# Altium PCB AS_node_pcb_version2.PcbDoc (part 1 of 2) (continued)
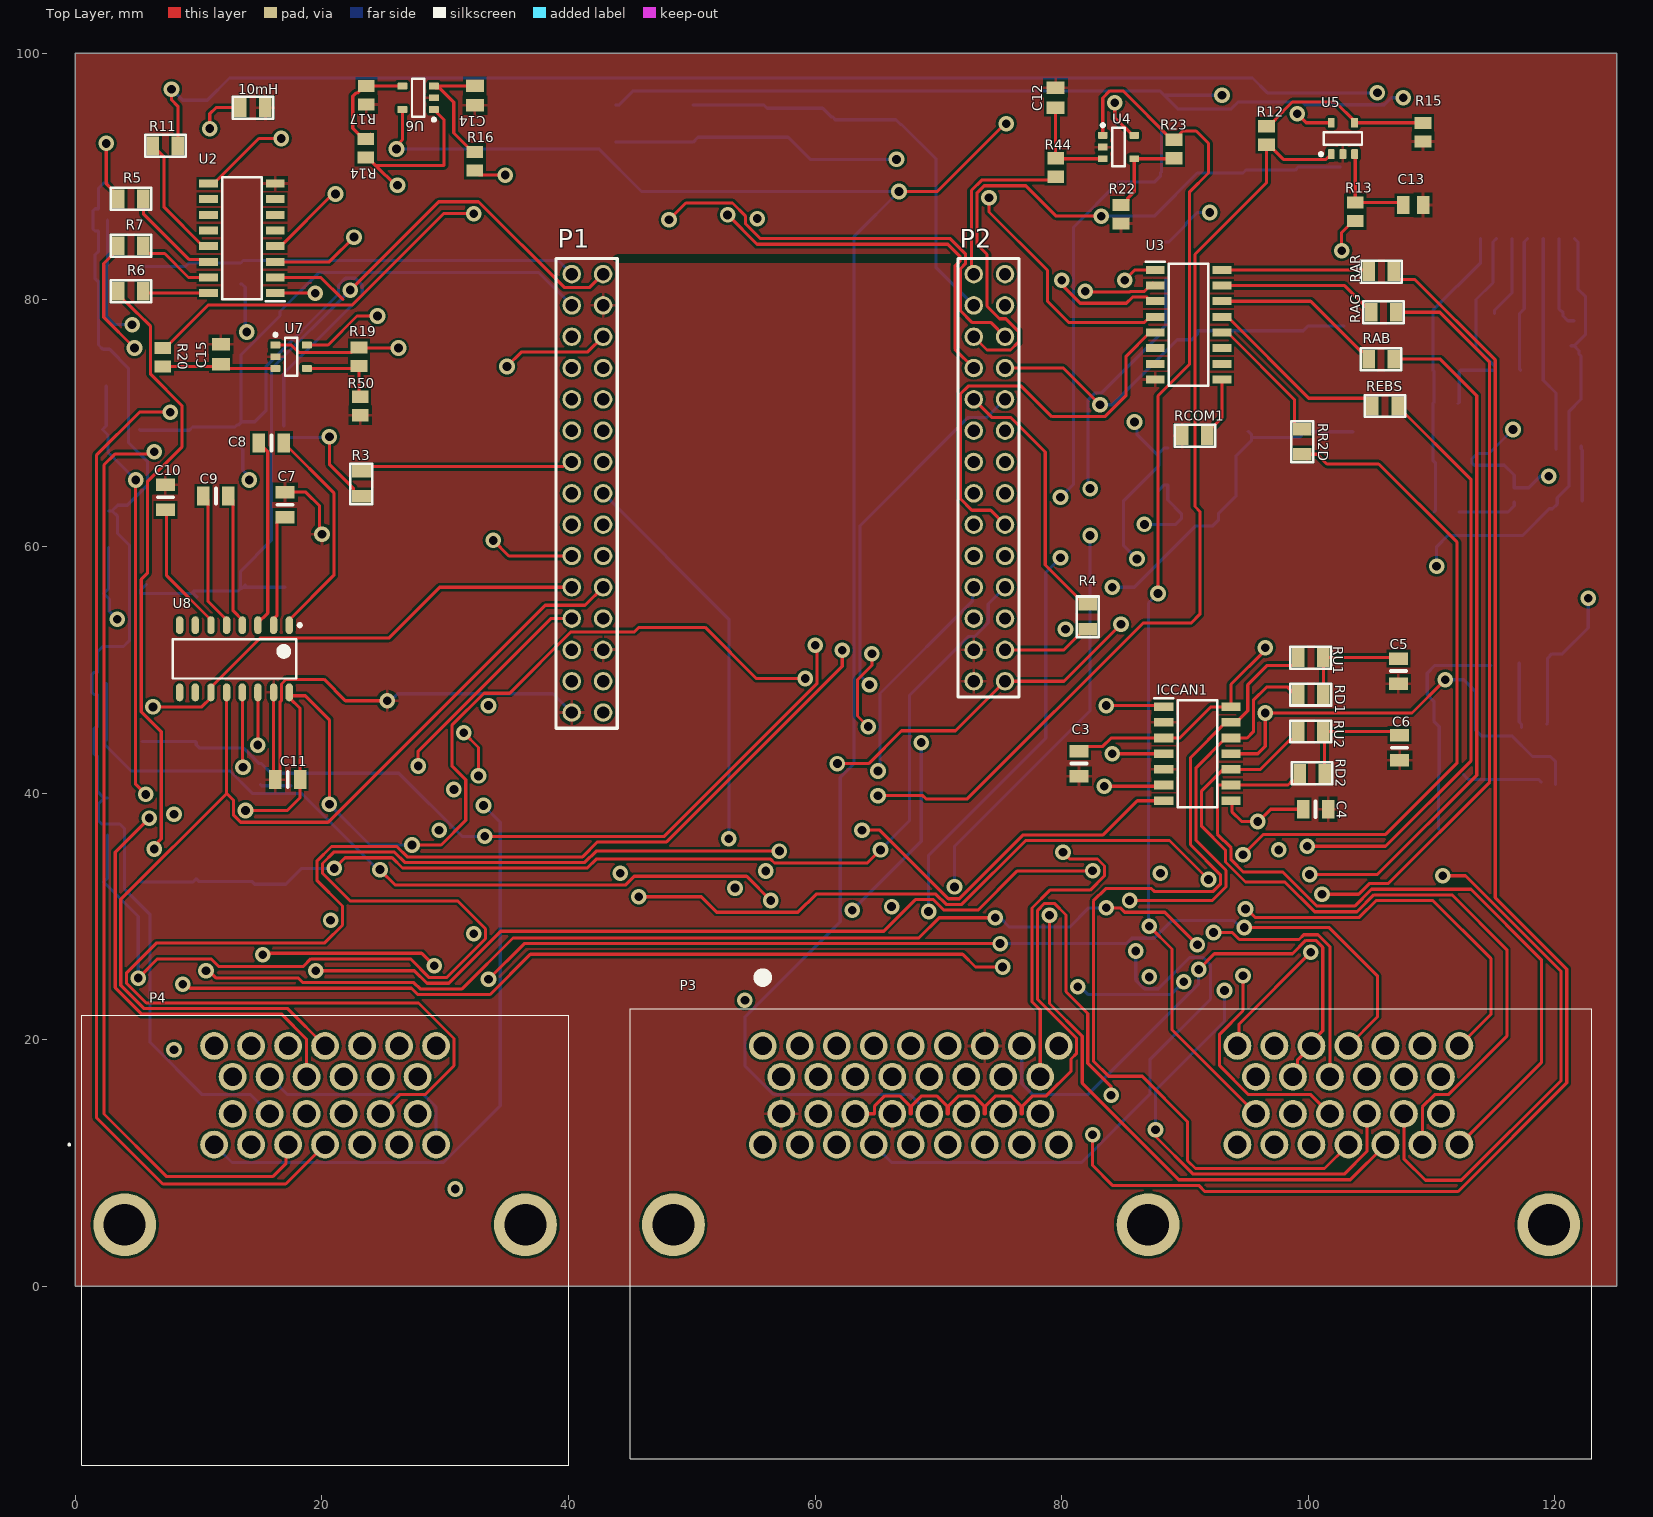
[diagram p0: Top Layer view]
## Components (designator, comment, footprint, x,y, rotation, side; value= is the part's Value field where it differs from the comment)
10mH "Res3" SMD-0805-RES 14.4,95.6 r90 top value=0
C1 "0.33uF" SMD-0805C 118.3,45.6 r90 bottom
C2 "0.1uF" SMD-0805C 111.6,37.1 r270 bottom
C3 "Cap Semi" SMD-0805C 81.4,42.4 r0 top value=0.1uF
C4 "Cap Semi" SMD-0805C 100.584,38.7 r90 top value=0.1uF
C5 "4700pF" SMD-0805C 107.3,49.9 r180 top
C6 "4700pF" SMD-0805C 107.4,43.684 r0 top
C7 "Cap Semi" SMD-0805C 17,63.4 r180 top value=0.1uF
C8 "Cap Semi" SMD-0805C 15.9,68.4 r270 top value=0.1uF
C9 "Cap Semi" SMD-0805C 11.4,64.1 r270 top value=0.1uF
C10 "Cap Semi" SMD-0805C 7.3,64 r180 top value=0.1uF
C11 "Cap Semi" SMD-0805C 17.216,41.1 r270 top value=0.1uF
C12 "0.68μF" CAPC2012X145N 79.5,96.4 r90 top
C13 "0.68μF" CAPC2012X145N 108.5,87.7 r0 top
C14 "0.68μF" CAPC2012X145N 32.4,96.59 r270 top
C15 "0.68μF" CAPC2012X145N 11.8,75.6 r90 top
C16 "UMK105CBJ105MV-F" CAPC1106X70N 17.5,41.11 r270 bottom
C17 "UMK105CBJ105MV-F" CAPC1106X70N 17,32.1 r270 bottom
C18 "UMK105CBJ105MV-F" CAPC1106X70N 16.9,69.29 r270 bottom
C19 "UMK105CBJ105MV-F" CAPC1106X70N 17,56.19 r270 bottom
C20 "UMK105CBJ105MV-F" CAPC1106X70N 102.6,90.29 r270 bottom
C21 "UMK105CBJ105MV-F" CAPC1106X70N 16.9,82.69 r270 bottom
C23 "UMK105CBJ105MV-F" CAPC1106X70N 102.9,77.39 r270 bottom
C24 "UMK105CBJ105MV-F" CAPC1106X70N 103.6,68.8 r270 bottom
C25 "UMK105CBJ105MV-F" CAPC1106X70N 66.5,94.11 r270 bottom
CFF "0.022uF" SMD-0805C 111.116,71.6 r90 bottom
CIN "100uF" SMD-0805C 121.2,63.7 r270 bottom
COUT "100uF" SMD-0805C 111.116,78.9 r270 bottom
CSS "4700pF" SMD-0805C 116.116,78.9 r270 bottom
F1 "0437005.WRA" FUSC3216X98N 111.78,66.8 r180 bottom
F2 "0437005.WRA" FUSC3216X98N 112.1,45.4 r180 bottom
ICCAN1 "TJA1048T,118" SOIC127P600X175-14N 91,43.2 r0 top
LED1 "ATS2012UV415" ATS2012UV415 116.7,64.2 r270 bottom
LED2 "ATS2012UV415" ATS2012UV415 119.475,40.9 r180 bottom
P1 "61303021121" 30_connector_female 42.8,46.54 r90 top
P2 "61302821121" 28_connector_female 75.4,49.08 r90 top
P3 "6437288-5" 64372885 55.75,19.5 r0 top
P4 "9-6437287-9" 964372879 11.25,11.5 r0 top
R1 "1K" SMD-0805-RES 111.216,62.8 r90 bottom value=6.49k
R2 "1k" SMD-0805-RES 111.584,41.5 r90 bottom value=6.49k
R3 "Res3" SMD-0805-RES 23.2,65.084 r180 top value=10K
R4 "Res3" SMD-0805-RES 82.1,54.3 r180 top value=10K
R5 "0" SMD-0805-RES 4.5,88.2 r270 top
R6 "0" SMD-0805-RES 4.5,80.7 r270 top
R7 "0" SMD-0805-RES 4.5,84.4 r270 top
R8 "ERA-8APB4421V" RESC3216X70N 2.5,50.4 r90 bottom
R11 "0" SMD-0805-RES 7.3,92.5 r90 top
R12 "20 kOhms" RESC2013X60X40LL20T25 96.6,93.35 r270 top
R13 "10k" RESC2013X60X40LL20T25 103.8,87.15 r90 top
R14 "20 kOhms" RESC2013X60X40LL20T25 23.55,92.3 r270 top
R15 "30K" RESC2013X60X40LL20T25 109.3,93.6 r270 top
R16 "10k" RESC2013X60X40LL20T25 32.4,91.25 r90 top
R17 "30K" RESC2013X60X40LL20T25 23.6,96.6 r270 top
R18 "ERA-8APB4421V" RESC3216X70N 2.6,38.1 r90 bottom
R19 "20 kOhms" RESC2013X60X40LL20T25 23,75.4 r90 top
R20 "10k" RESC2013X60X40LL20T25 7.1,75.35 r270 top
R21 "ERA-8APB4421V" RESC3216X70N 3.9,44.2 r0 bottom
R22 "10k" RESC2013X60X40LL20T25 84.8,86.95 r270 top
R23 "20 kOhms" RESC2013X60X40LL20T25 89.1,92.25 r90 top
R24 "ERA-8APB4421V" RESC3216X70N 3.8,32.8 r0 bottom
R25 "ERJ-PB3B1002V" RESC1608X55N 15,41.55 r270 bottom
R26 "ERJ-PB3B1002V" RESC1608X55N 14.3,32 r270 bottom
R27 "ERA-8APB4421V" RESC3216X70N 2.5,74.5 r90 bottom
R28 "ERA-8APB4421V" RESC3216X70N 2.7,61.4 r90 bottom
R29 "ERA-8APB4421V" RESC3216X70N 3.7,69.5 r0 bottom
R30 "ERA-8APB4421V" RESC3216X70N 3.8,56.2 r0 bottom
R31 "ERJ-PB3B1002V" RESC1608X55N 13.2,69 r270 bottom
R32 "ERJ-PB3B1002V" RESC1608X55N 13.4,55.75 r270 bottom
R33 "ERA-8APB4421V" RESC3216X70N 88.1,95.3 r90 bottom
R34 "ERA-8APB4421V" RESC3216X70N 2.6,88 r90 bottom
R35 "ERA-8APB4421V" RESC3216X70N 89.5,90.3 r0 bottom
R36 "ERA-8APB4421V" RESC3216X70N 4,82.7 r0 bottom
R37 "ERJ-PB3B1002V" RESC1608X55N 99.2,89.95 r270 bottom
R38 "ERJ-PB3B1002V" RESC1608X55N 13.4,82.15 r270 bottom
R41 "ERA-8APB4421V" RESC3216X70N 88.4,83.2 r90 bottom
R43 "ERA-8APB4421V" RESC3216X70N 89.5,77.5 r0 bottom
R44 "10k" RESC2013X60X40LL20T25 79.5,90.75 r90 top
R46 "ERJ-PB3B1002V" RESC1608X55N 99.8,76.85 r270 bottom
R47 "ERA-8APB4421V" RESC3216X70N 88.6,66.5 r90 bottom
R48 "ERA-8APB4421V" RESC3216X70N 43.8,94.3 r90 bottom
R49 "ERA-8APB4421V" RESC3216X70N 91.2,62.4 r0 bottom
R50 "30K" RESC2013X60X40LL20T25 23.1,71.4 r270 top
R51 "ERJ-PB3B1002V" RESC1608X55N 99.5,68.2 r270 bottom
R52 "ERA-8APB4421V" RESC3216X70N 50.1,94.3 r90 bottom
R53 "ERJ-PB3B1002V" RESC1608X55N 61.4,94 r270 bottom
RAB "Res3" SMD-0805-RES 105.9,75.2 r90 top value=330
RAG "Res3" SMD-0805-RES 106.1,79 r90 top value=330
RAR "Res3" SMD-0805-RES 105.916,82.3 r90 top value=330
RCOM1 "Res3" SMD-0805-RES 90.8,69 r270 top value=330
RD1 "Res3" SMD-0805-RES 100.2,48 r90 top value=60.4
RD2 "Res3" SMD-0805-RES 100.3,41.6 r90 top value=60.4
REBS "Res3" SMD-0805-RES 106.216,71.4 r90 top value=330
RENB "3.3k" SMD-0805-RES 121.116,67.9 r90 bottom
RENT "68k" SMD-0805-RES 121.1,72.2 r90 bottom
RFBB "6.49k" SMD-0805-RES 116.2,74.3 r270 bottom
RFBT "34k" SMD-0805-RES 111.216,74.2 r90 bottom
RON "100k" SMD-0805-RES 121.3,77.3 r0 bottom
RR2D "Res3" SMD-0805-RES 99.5,68.5 r0 top value=330
RU1 "Res3" SMD-0805-RES 100.2,51 r270 top value=60.4
RU2 "Res3" SMD-0805-RES 100.2,45 r270 top value=60.4
U2 "SN75468D" SOIC127P600X175-16N 13.5,85 r180 top
U3 "SN75468D" SOIC127P600X175-16N 90.288,77.995 r0 top
U4 "LM7341MF/NOPB" OP-Amp 84.6,92.4 r0 top
U5 "LM7341MF/NOPB" OP-Amp 102.8,93.1 r90 top
U6 "LM7341MF/NOPB" OP-Amp 27.8,96.4 r180 top
U7 "LM7341MF/NOPB" OP-Amp 17.5,75.4 r0 top
U8 "MAX3232E_D_16" MAX3232ECD 12.9,50.9 r270 top value=Value
UReg1 "LMZ14202HTZE/NOPB" NDW0007A_V 117.778,90.32 r90 bottom
UReg2 "UA78M33CDCYR" SOT230P700X180-4N 117.1,53.7 r90 bottom
Z1 "BZT52-C4V7X" SOD3616X130N 9.8,42.5 r270 bottom
Z2 "BZT52-C4V7X" SOD3616X130N 9.8,31.4 r270 bottom
Z3 "BZT52-C4V7X" SOD3616X130N 9.5,68.05 r270 bottom
Z4 "BZT52-C4V7X" SOD3616X130N 9.6,54.75 r270 bottom
Z5 "BZT52-C4V7X" SOD3616X130N 94.9,88.85 r270 bottom
Z6 "BZT52-C4V7X" SOD3616X130N 9.2,81.35 r270 bottom
Z8 "BZT52-C4V7X" SOD3616X130N 95.4,75.85 r270 bottom
Z9 "BZT52-C4V7X" SOD3616X130N 95.4,67.2 r270 bottom
Z10 "BZT52-C4V7X" SOD3616X130N 56.1,93.9 r270 bottom

## Footprints (in the part's own frame and the unit in brackets; to place one, negate y for a bottom-side part, rotate by r counter-clockwise, add the part's x,y. Pads: shape width x height; smd on the part's side, far side on the other; paste and mask are expansions set on the pad)
28_connector_female [mm]
  round 1.5 hole 1: 1(0,0) 2(0,2.54) 3(2.54,0) 4(2.54,2.54) 5(5.08,0) 6(5.08,2.54) 7(7.62,0) 8(7.62,2.54) 9(10.16,0) 10(10.16,2.54) 11(12.7,0) 12(12.7,2.54) 13(15.24,0) 14(15.24,2.54) 15(17.78,0) 16(17.78,2.54) 17(20.32,0) 18(20.32,2.54) 19(22.86,0) 20(22.86,2.54) 21(25.4,0) 22(25.4,2.54) 23(27.94,0) 24(27.94,2.54) 25(30.48,0) 26(30.48,2.54) 27(33.02,0) 28(33.02,2.54)
  silkscreen extent -1.27,-1.14 34.29,3.81, body extent -1.27,-1.14 34.29,3.81, height 7
30_connector_female [mm]
  round 1.5 hole 1: 1(0,0) 2(0,2.54) 3(2.54,0) 4(2.54,2.54) 5(5.08,0) 6(5.08,2.54) 7(7.62,0) 8(7.62,2.54) 9(10.16,0) 10(10.16,2.54) 11(12.7,0) 12(12.7,2.54) 13(15.24,0) 14(15.24,2.54) 15(17.78,0) 16(17.78,2.54) 17(20.32,0) 18(20.32,2.54) 19(22.86,0) 20(22.86,2.54) 21(25.4,0) 22(25.4,2.54) 23(27.94,0) 24(27.94,2.54) 25(30.48,0) 26(30.48,2.54) 27(33.02,0) 28(33.02,2.54) 29(35.56,0) 30(35.56,2.54)
  silkscreen extent -1.27,-1.14 36.83,3.81, body extent -1.27,-1.14 36.83,3.81, height 7
64372885 [mm]
  round 2.25 hole 1.5: 1(0,0) 2(3,0) 3(6,0) 4(9,0) 5(12,0) 6(15,0) 7(18,0) 8(21,0) 9(24,0) 10(1.5,-2.5) 11(4.5,-2.5) 12(7.5,-2.5) 13(10.5,-2.5) 14(13.5,-2.5) 15(16.5,-2.5) 16(19.5,-2.5) 17(22.5,-2.5) 18(1.5,-5.5) 19(4.5,-5.5) 20(7.5,-5.5) 21(10.5,-5.5) 22(13.5,-5.5) 23(16.5,-5.5) 24(19.5,-5.5) 25(22.5,-5.5) 26(0,-8) 27(3,-8) 28(6,-8) 29(9,-8) 30(12,-8) 31(15,-8) 32(18,-8) 33(21,-8) 34(24,-8) 35(38.5,0) 36(41.5,0) 37(44.5,0) 38(47.5,0) 39(50.5,0) 40(53.5,0) 41(56.5,0) 42(40,-2.5) 43(43,-2.5) 44(46,-2.5) 45(49,-2.5) 46(52,-2.5) 47(55,-2.5) 48(40,-5.5) 49(43,-5.5) 50(46,-5.5) 51(49,-5.5) 52(52,-5.5) 53(55,-5.5) 54(38.5,-8) 55(41.5,-8) 56(44.5,-8) 57(47.5,-8) 58(50.5,-8) 59(53.5,-8) 60(56.5,-8)
  round 5.1 hole 3.4: MH1(-7.25,-14.5) MH2(31.25,-14.5) MH3(63.75,-14.5)
  silkscreen extent -10.75,-33.5 67.25,5.6, body extent -10.75,-33.5 67.25,3, height 27.9
964372879 [mm]
  round 2.25 hole 1.5: 1(0,0) 2(1.5,2.5) 3(3,0) 4(4.5,2.5) 5(6,0) 6(7.5,2.5) 7(9,0) 8(10.5,2.5) 9(12,0) 10(13.5,2.5) 11(15,0) 12(16.5,2.5) 13(18,0) 14(0,8) 15(1.5,5.5) 16(3,8) 17(4.5,5.5) 18(6,8) 19(7.5,5.5) 20(9,8) 21(10.5,5.5) 22(12,8) 23(13.5,5.5) 24(15,8) 25(16.5,5.5) 26(18,8)
  round 5.1 hole 3.4: MH1(-7.25,-6.5) MH2(25.25,-6.5)
  silkscreen extent -11.8,-26 28.75,10.5, body extent -10.75,-26 28.75,10.5, height 28.45
ATS2012UV415 [mm]
  rect 0.65x1.06 smd: 1(-0.575,0) 2(0.575,0)
  silkscreen extent -1.8,-0.1 -1.6,0.1, body extent -1,-0.63 1,0.62, height 1.1
CAPC1106X70N [mm]
  rect 0.62x0.74 smd: 1(-0.51,0) 2(0.51,0)
  body extent -0.55,-0.3 0.55,0.3, height 0.7
CAPC2012X145N [mm]
  rect 1.02x1.47 smd: 1(-0.8,0) 2(0.8,0)
  body extent -1,-0.63 1,0.63, height 1.45
FUSC3216X98N [mm]
  rect 1.14x1.75 smd: 1(-1.48,0) 2(1.48,0)
  silkscreen extent 0,-0.69 0,0.69, body extent -1.6,-0.79 1.6,0.79, height 0.98
MAX3232ECD [mm]
  oval 1.45x0.6 smd: 1(-2.725,4.445) 2(-2.725,3.175) 3(-2.725,1.905) 4(-2.725,0.635) 5(-2.725,-0.635) 6(-2.725,-1.905) 7(-2.725,-3.175) 8(-2.725,-4.445) 9(2.725,-4.445) 10(2.725,-3.175) 11(2.725,-1.905) 12(2.725,-0.635) 13(2.725,0.635) 14(2.725,1.905) 15(2.725,3.175) 16(2.725,4.445)
  silkscreen extent -2.85,-5 1.6,5.42, body extent -2,-5 2,5, height 1.75
NDW0007A_V [mm] "D2-PAK, 8-Leads, Body 9.9x10.2mm, Pitch 1.27mm, Lead Span 13.8mm, TI Recommended"
  rrect11% 2.41x0.89 smd: 1(-5.35,3.81) 2(-5.35,2.54) 3(-5.35,1.27) 4(-5.35,0) 5(-5.35,-1.27) 6(-5.35,-2.54) 7(-5.35,-3.81)
  rrect2% 8.54x5.35 smd: 8(2.28,0)
  silkscreen extent -5.47,-5.15 -2.7,5.15, body extent -2.55,-5.2 7.55,5.2, height 4.67
OP-Amp [mm] "SOT23, 5-Leads, Body 3.05x1.75mm, Pitch 0.95mm, IPC High Density"
  rrect18% 0.8x0.55 smd: 1(-1.275,0.95) 2(-1.275,0) 3(-1.275,-0.95) 4(1.275,-0.95) 5(1.275,0.95)
  silkscreen extent -1.4,-1.55 0.5,1.9, body extent -1.42,-1.46 1.42,1.46, height 1.08
RESC1608X55N [mm]
  rect 0.8x1 smd: 1(-0.85,0) 2(0.85,0)
  silkscreen extent 0,-0.33 0,0.33, body extent -0.8,-0.42 0.8,0.43, height 0.55
RESC2013X60X40LL20T25 [mm] "Chip Resistor, 2-Leads, Body 2.00x1.25mm, IPC High Density"
  rect 1x1.35 smd: 1(-0.75,0) 2(0.75,0)
  body extent -1.1,-0.72 1.1,0.72, height 0.6
RESC3216X70N [mm]
  rect 1.15x1.7 smd: 1(-1.5,0) 2(1.5,0)
  silkscreen extent 0,-0.67 0,0.67, body extent -1.6,-0.78 1.6,0.77, height 0.7
SMD-0805-RES [mil]
  rect 60x40 smd: 1(0,40) 2(0,-40)
  silkscreen extent -35,-65 35,65, body extent -24,-39 26,39, height 31
SMD-0805C [mil]
  rect 60x40 smd: 1(0,40) 2(0,-40)
  silkscreen extent -25,0 25,0, body extent -25,-39 25,39, height 35
SOD3616X130N [mm]
  rect 1.25x0.8 smd: 1(-1.65,0) 2(1.65,0)
  silkscreen extent -2.27,-0.8 1.34,0.8, body extent -1.8,-0.8 1.8,0.8, height 1.3
SOIC127P600X175-14N [mm]
  rect 1.55x0.7 smd: 1(-2.725,3.81) 2(-2.725,2.54) 3(-2.725,1.27) 4(-2.725,0) 5(-2.725,-1.27) 6(-2.725,-2.54) 7(-2.725,-3.81) 8(2.725,-3.81) 9(2.725,-2.54) 10(2.725,-1.27) 11(2.725,0) 12(2.725,1.27) 13(2.725,2.54) 14(2.725,3.81)
  silkscreen extent -3.5,-4.33 1.6,4.51, body extent -3,-4.33 3,4.33, height 1.75
SOIC127P600X175-16N [mm]
  rect 1.525x0.65 smd: 1(-2.712,4.445) 2(-2.712,3.175) 3(-2.712,1.905) 4(-2.712,0.635) 5(-2.712,-0.635) 6(-2.712,-1.905) 7(-2.712,-3.175) 8(-2.712,-4.445) 9(2.712,-4.445) 10(2.712,-3.175) 11(2.712,-1.905) 12(2.712,-0.635) 13(2.712,0.635) 14(2.712,1.905) 15(2.712,3.175) 16(2.712,4.445)
  silkscreen extent -3.47,-4.95 1.6,5.12, body extent -3,-4.95 3,4.95, height 1.75
SOT230P700X180-4N [mm]
  rect 1.75x0.95 smd: 1(-3.15,2.3) 2(-3.15,0) 3(-3.15,-2.3)
  rect 1.75x3.2 smd: 4(3.15,0)
  silkscreen extent -4.03,-3.25 1.75,3.25, body extent -3.5,-3.25 3.5,3.25, height 1.8

## Part data
10mH R3 R4 RAB RAG RAR RCOM1 RD1 RD2 REBS RR2D RU1 RU2: "Resistor", LatestRevisionDate=29-May-2009, LatestRevisionNote="IPC-7351 Footprint Added.", PackageDescription="Chip Resistor", PackageReference=J1-0603, Published=8-Jun-2000, Publisher="Altium Limited"
C1 C2 C5 C6 CFF CIN COUT CSS: library part "Cap Semi", "Capacitor (Semiconductor SIM Model)", LatestRevisionDate=29-May-2009, LatestRevisionNote="IPC-7351 Footprint Added.", PackageDescription="Chip Capacitor", PackageReference=C1206, Published=8-Jun-2000, Publisher="Altium Limited"
C3 C4 C7 C8 C9 C10 C11: "Capacitor (Semiconductor SIM Model)", LatestRevisionDate=29-May-2009, LatestRevisionNote="IPC-7351 Footprint Added.", PackageDescription="Chip Capacitor", PackageReference=C1206, Published=8-Jun-2000, Publisher="Altium Limited"
C12 C13 C14 C15: library part C0805C684J3NACTU, "Capacitor", Manufacturer_Name=Kemet, Datasheet Link=https://api.kemet.com/component-edge/download/datasheet/C0805C684J3NACTU.pdf, Height=1.45mm, Manufacturer_Part_Number=C0805C684J3NACTU
C16 C17 C18 C19 C20 C21 C23 C24 C25: "Capacitor", Manufacturer_Name="TAIYO YUDEN", Mouser2 Part Number=963-UMK105CBJ105MV-F, Datasheet Link=https://componentsearchengine.com/Datasheets/1/UMK105CBJ105MV-F.pdf, Height=0.7mm, Manufacturer_Part_Number=UMK105CBJ105MV-F, Mouser2 Price/Stock=https://www.mouser.com/Search/Refine.aspx?Keyword=963-UMK105CBJ105MV-F
F1 F2: "Fuse", Manufacturer_Name=LITTELFUSE, Mouser2 Part Number=576-0437005.WRA, Datasheet Link=https://componentsearchengine.com/Datasheets/1/0437005.WRA.pdf, Height=0.985mm, Manufacturer_Part_Number=0437005.WRA, Mouser2 Price/Stock=https://www.mouser.com/Search/Refine.aspx?Keyword=576-0437005.WRA
ICCAN1: "TJA1048T,118, https://www.mouser.se/datasheet/2/302/TJA1048-1128048.pdf", Manufacturer_Name=Nexperia, Datasheet Link=https://www.nxp.com/docs/en/data-sheet/TJA1048.pdf, Height=1.75mm, Manufacturer_Part_Number=TJA1048T,118
LED1 LED2: "LED", Manufacturer_Name=Kingbright, Mouser2 Part Number=604-ATS2012UV415, Datasheet Link=https://componentsearchengine.com/Datasheets/1/ATS2012UV415.pdf, Height=1mm, Manufacturer_Part_Number=ATS2012UV415, Mouser2 Price/Stock=https://www.mouser.com/Search/Refine.aspx?Keyword=604-ATS2012UV415
P1 P2: "Connector", Manufacturer_Name="Wurth Elektronik", Height=8.54mm
  P1: Datasheet Link=https://www.we-online.de/catalog/datasheet/61303021121.pdf, Manufacturer_Part_Number=61303021121
  P2: Datasheet Link=https://katalog.we-online.de/em/datasheet/6130xx21121.pdf, Manufacturer_Part_Number=61302821121
P3 P4: "Connector", Manufacturer_Name="TE Connectivity"
  P3: Datasheet Link=https://www.arrow.com/en/products/6437288-5/te-connectivity, Height=27.9mm, Manufacturer_Part_Number=6437288-5
  P4: Datasheet Link=https://www.arrow.com/en/products/9-6437287-9/te-connectivity, Height=28.45mm, Manufacturer_Part_Number=9-6437287-9
R1 R2 RFBB: library part ERJ-6ENF6491V, "RES SMD 6.49K OHM 1% 1/8W 0805", Digi-Key Part Number=P6.49KCCT-ND, Manufacturer="Panasonic Electronic Components", Operating Temperature="-55°C ~ 155°C", Package / Case="0805 (2012 Metric)", Power (Watts)="0.125W, 1/8W", Supplier Device Package=0805, Temperature Coefficient=±100ppm/°C, Tolerance=±1%, @ qty=1500, Composition="Thick Film", Datasheets=http://industrial.panasonic.com/www-cgi/jvcr13pz.cgi?E+PZ+3+AOA0002+ERJ6ENF6491V+7+WW, Factory Stock=0, Failure Rate=-, Features="Automotive AEC-Q200", Height - Seated (Max)="0.028\" (0.70mm)", Image=//media.digikey.com/Renders/Panasonic%20Renders/ERJ-0805%20Pkg.jpg, Minimum Quantity=1, Number of Terminations=2, Packaging="Cut Tape (CT)", Part Number=ERJ-6ENF6491V, Part Status=Active, Quantity Available=7881, Series=ERJ, Size / Dimension="0.079\" L x 0.049\" W (2.00mm x 1.25mm)", Unit Price (USD)=0.00729
R5 R6 R7 R11: library part Res1, Manufacturer="PANASONIC ELECTRONIC COMPONENTS", Manufacturer Part Number=ERJ6GEY0R00V, Power Rating=125, Resistance Tolerance=-, Resistor Case Style="0805 [2012 Metric]", Resistor Element Material="Thick Film", Resistor Mounting="Surface Mount Device<!--FANDB--><div class=\"features-and-benefits-container\"><div class=\"features-and-benefits-desc-container\"><span class=\"features-and-benefits-container-desc\">SMD Chip Resistor, 0 ohm, 150 V, Thick Film, 0805 [2012 Metric], 125 mW</span></div><div class=\"features-and-benefits-description\"><span class=\"features-benefits-value\">The Panasonic ERJ 6G series resistors are automotive grade thick film chip resistors. The resistance range includes E24 decade values from 1ohm to 10Mohm. ERJ series resistors have metal glaze thick film resistive element and three layers of electrodes that make them highly reliable.</span></div><div class=\"features-and-benefits-list\"><ul class=\"features-and-benefits-list-list\"><li class=\"features-and-benefits-list-item\">EIA 01005, 0201, 0402, 0603, 0805, 1206, 1210, 1812, 2010, 2512 case sizes available</li><li class=\"features-and-benefits-list-item\">Small size, low weight resistors</li><li class=\"features-and-benefits-list-item\">Automotive grade AEC-Q200 compliant</li><li class=\"features-and-benefits-list-item\">Maximum power rating of 1W</li><li class=\"features-and-benefits-list-item\">Tolerance of ±5%</li><li class=\"features-and-benefits-list-item\">Temperature coefficient (TCR) of -100 to +600, -400 to +150, ±300 and ±200ppm/°C</li><li class=\"features-and-benefits-list-item\">Available in -55°C to 125°C and -55°C to 155°C operating temperature ranges</li><li class=\"features-and-benefits-list-item\">Meets IEC 60115-8, JIS C 5201-8, EIAJ RC-2134", Supplier Part Number 1=2057661, Temperature Coefficient="-100ppm/°C to +600", Voltage Rating=150, Automotive Qualification Standard=AEC-Q200, ComponentLink1Description=http://www.farnell.com/datasheets/2371628.pdf, ComponentLink1URL=http://www.farnell.com/datasheets/2371628.pdf, Packaging="Cut Tape", Pricing 1="10=0.0144, 100=0.009, 500=0.0062, 1000=0.0054, 2500=0.0042 (GBP)", Product Range=ERJ6, Resistance=0, RoHS=YES, Stock 1=44841, Supplier 1=Farnell, SVHC="No SVHC (12-Jan-2017)"
R8 R18 R21 R24 R27 R28 R29 R30 R33 R34 R35 R36 R41 R43 R47 R48 R49 R52: "Resistor", Manufacturer_Name=Panasonic, Datasheet Link=https://industrial.panasonic.com/cdbs/www-data/pdf/RDM0000/AOA0000C307.pdf, Height=0.7mm, Manufacturer_Part_Number=ERA-8APB4421V
R12 R14 R19 R23: library part Res1, Case Code - in=0805, Case Code - mm=2012, Manufacturer=Vishay, Manufacturer Part Number=CRCW080520K0FKEA, Operating Temperature Range="- 55 C to + 155 C", Package / Case="0805 (2012 metric)", Power Rating="125 mW (1/8 W)", Supplier Part Number=1469893, Temperature Coefficient="100 PPM / K", Tolerance="1 %", Voltage Rating="150 V", Brand="Vishay / Dale", Factory Pack Quantity=5000, Features="Metal glaze on high quality ceramic", Height="0.45 mm", Length="2 mm", Packaging=Reel, Product="Thick Film Resistors SMD", Product Category="Thick Film Resistors - SMD", Qualification=Commercial, Resistance="20 kOhms", RoHS=True, Series=CRCW, Supplier=Farnell, Termination Style=SMD/SMT, Unit Weight="0.000194 oz", Width="1.25 mm"
R13 R16 R20 R22 R44: library part Res1, Manufacturer="PANASONIC ELECTRONIC COMPONENTS", Manufacturer Part Number=ERA6AEB103V, Operating Temperature Max=155, Operating Temperature Min=-55, Operating Temperature Range="-55°C to +155", Power Rating=125, Resistance Tolerance="± 0.1%", Resistor Case Style="0805 [2012 Metric]", Resistor Element Material="Thin Film", Resistor Mounting="Surface Mount Device<!--FANDB--><div class=\"features-and-benefits-container\"><div class=\"features-and-benefits-desc-container\"><span class=\"features-and-benefits-container-desc\">SMD Chip Resistor, 10 kohm, 100 V, Thin Film, 0805 [2012 Metric], 125 mW, ± 0.1%</span></div><div class=\"features-and-benefits-description\"><span class=\"features-benefits-value\">The Panasonic ERA 6A series resistors are highly reliable, automotive grade metal film chip resistors based on thin film technology. The resistance range includes E24 and E96 decade values from 10 ohm to 1Mohm. ERA series metal thin film chip resistors have small resistance tolerance and temperature coefficient of resistance, low current noise and excellent linearity. These resistors are stable at high temperature and humidity.</span></div><div class=\"features-and-benefits-list\"><ul class=\"features-and-benefits-list-list\"><li class=\"features-and-benefits-list-item\">EIA 0201, 0402, 0603, 0805, 1206 case sizes available</li><li class=\"features-and-benefits-list-item\">Automotive grade AEC-Q200 compliant</li><li class=\"features-and-benefits-list-item\">Meets IEC 60115-8, JIS C 5201-8, EIAJ RC-2133B standards</li><li class=\"features-and-benefits-list-item\">85°C 85% RH rated load</li><li class=\"features-and-benefits-list-item\">Maximum power rating of 250mW</li><li class=\"features-and-benefits-list-item\">Available in ±0.05%, ±0.1%, ±0.25% and ±0.5% tolerance</li><li class=\"features-and-benefits-list-item\">±10, ±15, ±25, ±50 and ±100ppm/°C TCR values available</li><li class=\"features-and-benefits-list-item\">Operating temperature range -55°C to 155", Supplier Part Number 1=1577673, Temperature Coefficient="± 25", Voltage Rating=100, Automotive Qualification Standard=AEC-Q200, ComponentLink1Description=http://www.farnell.com/datasheets/2052875.pdf, ComponentLink1URL=http://www.farnell.com/datasheets/2052875.pdf, ComponentLink2Description=http://www.farnell.com/datasheets/1718548.pdf, ComponentLink2URL=http://www.farnell.com/datasheets/1718548.pdf, ComponentLink3Description=http://www.farnell.com/cad/1684672.zip, ComponentLink3URL=http://www.farnell.com/cad/1684672.zip, No. of Pins=2, Packaging="Cut Tape", Pricing 1="10=0.237, 100=0.0981, 500=0.08, 1000=0.0561, 2500=0.0491 (GBP)", Product Range=ERA6, Resistance=10k, RoHS=YES, Stock 1=159335, Supplier 1=Farnell, SVHC="No SVHC (07-Jul-2017)"
R15 R17 R50: library part Res1, Manufacturer="PANASONIC ELECTRONIC COMPONENTS", Manufacturer Part Number=ERA6AEB103V, Operating Temperature Max=155, Operating Temperature Min=-55, Operating Temperature Range="-55°C to +155", Power Rating=125, Resistance=10k, Resistance Tolerance="± 0.1%", Resistor Case Style="0805 [2012 Metric]", Resistor Element Material="Thin Film", Resistor Mounting="Surface Mount Device<!--FANDB--><div class=\"features-and-benefits-container\"><div class=\"features-and-benefits-desc-container\"><span class=\"features-and-benefits-container-desc\">SMD Chip Resistor, 10 kohm, 100 V, Thin Film, 0805 [2012 Metric], 125 mW, ± 0.1%</span></div><div class=\"features-and-benefits-description\"><span class=\"features-benefits-value\">The Panasonic ERA 6A series resistors are highly reliable, automotive grade metal film chip resistors based on thin film technology. The resistance range includes E24 and E96 decade values from 10 ohm to 1Mohm. ERA series metal thin film chip resistors have small resistance tolerance and temperature coefficient of resistance, low current noise and excellent linearity. These resistors are stable at high temperature and humidity.</span></div><div class=\"features-and-benefits-list\"><ul class=\"features-and-benefits-list-list\"><li class=\"features-and-benefits-list-item\">EIA 0201, 0402, 0603, 0805, 1206 case sizes available</li><li class=\"features-and-benefits-list-item\">Automotive grade AEC-Q200 compliant</li><li class=\"features-and-benefits-list-item\">Meets IEC 60115-8, JIS C 5201-8, EIAJ RC-2133B standards</li><li class=\"features-and-benefits-list-item\">85°C 85% RH rated load</li><li class=\"features-and-benefits-list-item\">Maximum power rating of 250mW</li><li class=\"features-and-benefits-list-item\">Available in ±0.05%, ±0.1%, ±0.25% and ±0.5% tolerance</li><li class=\"features-and-benefits-list-item\">±10, ±15, ±25, ±50 and ±100ppm/°C TCR values available</li><li class=\"features-and-benefits-list-item\">Operating temperature range -55°C to 155", Supplier Part Number 1=1577673, Temperature Coefficient="± 25", Voltage Rating=100, Automotive Qualification Standard=AEC-Q200, ComponentLink1Description=http://www.farnell.com/datasheets/2052875.pdf, ComponentLink1URL=http://www.farnell.com/datasheets/2052875.pdf, ComponentLink2Description=http://www.farnell.com/datasheets/1718548.pdf, ComponentLink2URL=http://www.farnell.com/datasheets/1718548.pdf, ComponentLink3Description=http://www.farnell.com/cad/1684672.zip, ComponentLink3URL=http://www.farnell.com/cad/1684672.zip, No. of Pins=2, Packaging="Cut Tape", Pricing 1="10=0.237, 100=0.0981, 500=0.08, 1000=0.0561, 2500=0.0491 (GBP)", Product Range=ERA6, RoHS=YES, Stock 1=159335, Supplier 1=Farnell, SVHC="No SVHC (07-Jul-2017)"
R25 R26 R31 R32 R37 R38 R46 R51 R53: "Resistor", Manufacturer_Name=Panasonic, Mouser2 Part Number=667-ERJ-PB3B1002V, Datasheet Link=https://componentsearchengine.com/Datasheets/1/ERJ-PB3B1002V.pdf, Height=0.55mm, Manufacturer_Part_Number=ERJ-PB3B1002V, Mouser2 Price/Stock=https://www.mouser.com/Search/Refine.aspx?Keyword=667-ERJ-PB3B1002V
RENB: library part ERJ-6ENF3301V, "RES SMD 3.3K OHM 1% 1/8W 0805", Digi-Key Part Number=P3.30KCCT-ND, Manufacturer="Panasonic Electronic Components", Operating Temperature="-55°C ~ 155°C", Package / Case="0805 (2012 Metric)", Power (Watts)="0.125W, 1/8W", Supplier Device Package=0805, Temperature Coefficient=±100ppm/°C, Tolerance=±1%, @ qty=1500, Composition="Thick Film", Datasheets=http://industrial.panasonic.com/www-cgi/jvcr13pz.cgi?E+PZ+3+AOA0002+ERJ6ENF3301V+7+WW, Factory Stock=0, Failure Rate=-, Features="Automotive AEC-Q200", Height - Seated (Max)="0.028\" (0.70mm)", Image=//media.digikey.com/Renders/Panasonic%20Renders/ERJ-0805%20Pkg.jpg, Minimum Quantity=1, Number of Terminations=2, Packaging="Cut Tape (CT)", Part Number=ERJ-6ENF3301V, Part Status=Active, Quantity Available=89456, Series=ERJ, Size / Dimension="0.079\" L x 0.049\" W (2.00mm x 1.25mm)", Unit Price (USD)=0.00729
RENT: library part ERJ-6ENF6802V, "RES SMD 68K OHM 1% 1/8W 0805", Digi-Key Part Number=P68.0KCCT-ND, Manufacturer="Panasonic Electronic Components", Operating Temperature="-55°C ~ 155°C", Package / Case="0805 (2012 Metric)", Power (Watts)="0.125W, 1/8W", Supplier Device Package=0805, Temperature Coefficient=±100ppm/°C, Tolerance=±1%, @ qty=1500, Composition="Thick Film", Datasheets=http://industrial.panasonic.com/www-cgi/jvcr13pz.cgi?E+PZ+3+AOA0002+ERJ6ENF6802V+7+WW, Factory Stock=0, Failure Rate=-, Features="Automotive AEC-Q200", Height - Seated (Max)="0.028\" (0.70mm)", Image=//media.digikey.com/Renders/Panasonic%20Renders/ERJ-0805%20Pkg.jpg, Minimum Quantity=1, Number of Terminations=2, Packaging="Cut Tape (CT)", Part Number=ERJ-6ENF6802V, Part Status=Active, Quantity Available=38245, Series=ERJ, Size / Dimension="0.079\" L x 0.049\" W (2.00mm x 1.25mm)", Unit Price (USD)=0.00729
RFBT: library part ERJ-6ENF3402V, "RES SMD 34K OHM 1% 1/8W 0805", Digi-Key Part Number=P34.0KCCT-ND, Manufacturer="Panasonic Electronic Components", Operating Temperature="-55°C ~ 155°C", Package / Case="0805 (2012 Metric)", Power (Watts)="0.125W, 1/8W", Supplier Device Package=0805, Temperature Coefficient=±100ppm/°C, Tolerance=±1%, @ qty=1500, Composition="Thick Film", Datasheets=http://industrial.panasonic.com/www-cgi/jvcr13pz.cgi?E+PZ+3+AOA0002+ERJ6ENF3402V+7+WW, Factory Stock=0, Failure Rate=-, Features="Automotive AEC-Q200", Height - Seated (Max)="0.028\" (0.70mm)", Image=//media.digikey.com/Renders/Panasonic%20Renders/ERJ-0805%20Pkg.jpg, Minimum Quantity=1, Number of Terminations=2, Packaging="Cut Tape (CT)", Part Number=ERJ-6ENF3402V, Part Status=Active, Quantity Available=29829, Series=ERJ, Size / Dimension="0.079\" L x 0.049\" W (2.00mm x 1.25mm)", Unit Price (USD)=0.00729
RON: library part ERJ-6ENF1003V, "RES SMD 100K OHM 1% 1/8W 0805", Digi-Key Part Number=P100KCCT-ND, Manufacturer="Panasonic Electronic Components", Operating Temperature="-55°C ~ 155°C", Package / Case="0805 (2012 Metric)", Power (Watts)="0.125W, 1/8W", Supplier Device Package=0805, Temperature Coefficient=±100ppm/°C, Tolerance=±1%, @ qty=1500, Composition="Thick Film", Datasheets=http://industrial.panasonic.com/www-cgi/jvcr13pz.cgi?E+PZ+3+AOA0002+ERJ6ENF1003V+7+WW, Factory Stock=0, Failure Rate=-, Features="Automotive AEC-Q200", Height - Seated (Max)="0.028\" (0.70mm)", Image=//media.digikey.com/Renders/Panasonic%20Renders/ERJ-0805%20Pkg.jpg, Minimum Quantity=1, Number of Terminations=2, Packaging="Cut Tape (CT)", Part Number=ERJ-6ENF1003V, Part Status=Active, Quantity Available=760677, Series=ERJ, Size / Dimension="0.079\" L x 0.049\" W (2.00mm x 1.25mm)", Unit Price (USD)=0.00729
U2 U3: "Integrated Circuit", Manufacturer_Name="Texas Instruments", Mouser2 Part Number=595-SN75468D, Datasheet Link=http://www.ti.com/lit/ds/symlink/sn75468.pdf, Height=1.75mm, Manufacturer_Part_Number=SN75468D, Mouser2 Price/Stock=https://www.mouser.com/Search/Refine.aspx?Keyword=595-SN75468D
U4 U5 U6 U7: library part TLV2371IDBVT, "550 uA/Ch, 3 MHz, RRIO Operational Amplifier, 2.7 to 16 V, -40 to 125 degC, 5-pin SOT23 (DBV5), Green (RoHS & no Sb/Br)", Amplifer Supply Voltage="2.7V to 32", Amplifier Case Style=SOT-23, Input Offset Voltage Max=4.5, Manufacturer="TEXAS INSTRUMENTS", Operating Temperature Max=125, Operating Temperature Min=-40, Operating Temperature Range="-40°C to +125", Supplier Part Number 1=1663016, Supply Voltage + Nom=16, Supply Voltage Min="2.7V<!--FANDB--><div class=\"features-and-benefits-container\"><div class=\"features-and-benefits-description\"><span class=\"features-benefits-value\">The TLV2371IDBVT is a Single Supply Operational Amplifier provides rail-to-rail input and output capability. The TLV2371IDBVT takes the minimum operating supply voltage down to 2.7V over the extended industrial temperature range while adding the rail-to-rail output swing feature. The TLV2371IDBVT also provides 3MHz bandwidth from only 550µA. The maximum recommended supply voltage is 16V, which allows the devices to be operated from (±8V supplies down to ±1.35V) a variety of rechargeable cells. The CMOS inputs enable use in high-impedance sensor interfaces, with the lower voltage operation making an ideal alternative for the TLC227x in battery-powered applications. The rail-to-rail input stage further increases its versatility. The TLV2371IDBVT is the seventh member of a rapidly growing number of RRIO products available from TI and it is the first to allow operation up to 16V rails with good AC performance.</span></div><div class=\"features-and-benefits-list\"><ul class=\"features-and-benefits-list-list\"><li class=\"features-and-benefits-list-item\">Rail-to-rail input/output</li><li class=\"features-and-benefits-list-item\">3MHz Wide bandwidth</li><li class=\"features-and-benefits-list-item\">2.4V/µs High slew rate</li><li class=\"features-and-benefits-list-item\">550µA Supply current per channel</li><li class=\"features-and-benefits-list-item\">IDD(SHDN) 25µA Low power shutdown mode per channel</li><li class=\"features-and-benefits-list-item\">39nV/Hz Input noise voltage</li><li class=\"features-and-benefits-list-item\">1", Amplifier Type=CMOS, Automotive Qualification Standard=-, Bandwidth=3, Base Number=2371, ComponentLink1Description=https://se.farnell.com/texas-instruments/lm7341mf-nopb/amp-r-r-i-o-4-6mhz-30v-sot23-5/dp/1663016?scope=partnumberlookahead&ost=1663016&searchref=searchlookahead&exaMfpn=true&ddkey=https%3Ase-SE%2FElement14_Sweden%2Fw%2Fsearch, ComponentLink1URL=https://se.farnell.com/texas-instruments/lm7341mf-nopb/amp-r-r-i-o-4-6mhz-30v-sot23-5/dp/1663016?scope=partnumberlookahead&ost=1663016&searchref=searchlookahead&exaMfpn=true&ddkey=https%3Ase-SE%2FElement14_Sweden%2Fw%2Fsearch, ComponentLink2Description=https://se.farnell.com/texas-instruments/lm7341mf-nopb/amp-r-r-i-o-4-6mhz-30v-sot23-5/dp/1663016?scope=partnumberlookahead&ost=1663016&searchref=searchlookahead&exaMfpn=true&ddkey=https%3Ase-SE%2FElement14_Sweden%2Fw%2Fsearch, ComponentLink2URL=https://se.farnell.com/texas-instruments/lm7341mf-nopb/amp-r-r-i-o-4-6mhz-30v-sot23-5/dp/1663016?scope=partnumberlookahead&ost=1663016&searchref=searchlookahead&exaMfpn=true&ddkey=https%3Ase-SE%2FElement14_Sweden%2Fw%2Fsearch, ComponentLink3Description=https://se.farnell.com/texas-instruments/lm7341mf-nopb/amp-r-r-i-o-4-6mhz-30v-sot23-5/dp/1663016?scope=partnumberlookahead&ost=1663016&searchref=searchlookahead&exaMfpn=true&ddkey=https%3Ase-SE%2FElement14_Sweden%2Fw%2Fsearch, ComponentLink3URL=https://se.farnell.com/texas-instruments/lm7341mf-nopb/amp-r-r-i-o-4-6mhz-30v-sot23-5/dp/1663016?scope=partnumberlookahead&ost=1663016&searchref=searchlookahead&exaMfpn=true&ddkey=https%3Ase-SE%2FElement14_Sweden%2Fw%2Fsearch, ComponentLink4Description=https://se.farnell.com/texas-instruments/lm7341mf-nopb/amp-r-r-i-o-4-6mhz-30v-sot23-5/dp/1663016?scope=partnumberlookahead&ost=1663016&searchref=searchlookahead&exaMfpn=true&ddkey=https%3Ase-SE%2FElement14_Sweden%2Fw%2Fsearch, ComponentLink4URL=https://se.farnell.com/texas-instruments/lm7341mf-nopb/amp-r-r-i-o-4-6mhz-30v-sot23-5/dp/1663016?scope=partnumberlookahead&ost=1663016&searchref=searchlookahead&exaMfpn=true&ddkey=https%3Ase-SE%2FElement14_Sweden%2Fw%2Fsearch, Gain Bandwidth=2.4, I/O Type="Rail-Rail I/O", IC Generic Number=2371, Manufacturer Part Number=LM7341MF/NOPB, MSL="MSL 1 - Unlimited", No. of Amplifiers="1 Amplifier", No. of Pins=5, Op Amp Type="Low Power", Packaging="Cut Tape", Pricing 1="1=1.33, 10=1.06, 25=1, 50=0.976, 100=0.768 (GBP)", Product Range=-, RoHS=YES, RoHS Phthalates Compliant=Yes, Slew Rate=2, Stock 1=4763, Supplier 1=Farnell, Supply Voltage Max=16, Supply Voltage Range="2.7V to 32", SVHC="No SVHC (07-Jul-2017)"
U8: "Imported", Manufacturer="Texas Instruments", Manufacturer_Part_Number=max3232e_d_16, PACKAGE_DESIGNATOR=D, Datasheet_URL=http://www.ti.com/lit/gpn/MAX3232E, FAMILY_NAME=RS-232, GENERIC_PART_NUMBER=MAX3232E, INDUSTRY_STD_PKG_TYPE=SOIC, PIN_COUNT=16, RefDes=RefDes, Type=Type, Vendor="Texas Instruments"
UReg1: library part CMP-0069-02052-2, "2A SIMPLE SWITCHER® Power Module with 42V Maximum Input, 7-pin TO-PMOD, Pb-Free, 45 Rail", Manufacturer="Texas Instruments", PackageTopMarking=NSUZXYTTE#*LMZ14202*HTZ, PowerWise=Y, ComponentLink1Description="Datasheet URL", ComponentLink1URL=http://www.ti.com/general/docs/lit/getliterature.tsp?genericPartNumber=LMZ14202H&fileType=pdf, CompType=Switcher, PackageDescription="TO-PMOD-7, 10.16 x 9.85 x 4.57 mm Body, 7 Lead, 1.27mm Pitch, Surface Mount", PackageReference=NDW0007A, PinCount=7, RoHS=Y
UReg2: "Undefined or Miscellaneous", Manufacturer_Name="Texas Instruments", Mouser Part Number=595-UA78M33CDCYR, Datasheet Link=http://www.ti.com/lit/gpn/ua78m, Height=1.8mm, Manufacturer_Part_Number=UA78M33CDCYR, Mouser Price/Stock=https://www.mouser.com/Search/Refine.aspx?Keyword=595-UA78M33CDCYR
Z1 Z2 Z3 Z4 Z5 Z6 Z8 Z9 Z10: "Zener Diode", Manufacturer_Name=Nexperia, Mouser2 Part Number=N/A, Datasheet Link=https://assets.nexperia.com/documents/data-sheet/BZT52_SER.pdf, Height=1.3mm, Manufacturer_Part_Number=BZT52-C4V7X, Mouser2 Price/Stock=https://www.mouser.com/Search/Refine.aspx?Keyword=N%2FA

## Via types
v1: diameter 1.27, hole 0.711, Top Layer to Bottom Layer, 155 vias

## Nets (pads, with @x,y where several pads share a name; then routed paths per layer and width w, separated by ;. In a path a pad name is that pad's centre, name@x,y a point inside that pad or via, vN(x,y) a via of type N, cw(c..) or ccw(c..) an arc to the next point about the centre after c; other vN are vias at no path point)
3V3: C11.1 F2.1 ICCAN1.11 LED2.1 P1.4 P2.1 P4.13 P4.17 U8.16 | length 263.9
  Top Layer w0.254: v1(13.8,38.6) 17.182,38.6 18.232,39.65 C11.1@18.232,41.1 18.232,46.863 17.345,47.75 U8.16@17.345,48.062 ; U8.16@17.345,48.175 U8.16@17.345,48.062 ; v1(20.6,39.1) 20.6,45.949 18.647,47.902 17.505,47.902 U8.16@17.345,48.062 ; v1(27.3,35.8) 29.66,35.8 31.662,37.802 31.662,41.088 30.538,42.212 30.538,45.498 33.146,48.106 35.223,48.106 40.2,53.083 45.348,53.083 45.708,53.443 51.077,53.443 55.22,49.3 v1(59.2,49.3) ; v1(61.8,42.4) 64.339,42.4 67.001,45.062 71.382,45.062 P2.1@75.4,49.08 80.18,49.08 v1(84.8,53.7) ; ICCAN1.11@93.725,43.2 95.9,43.2 96.5,43.8 v1(96.5,46.5) 108.4,46.5 v1(111.1,49.2)
  Layer 1 w0.254: v1(13.8,38.6) 13.8,34.597 16.057,32.34 19.42,32.34 26.722,25.038 29.498,25.038 30.776,26.316 34.087,26.316 34.916,25.487 34.916,24.313 34.087,23.484 30.513,23.484 29.813,22.784 18.481,22.784 15.75,20.053 P4.17@15.75,17 ; v1(59.2,49.3) 59.2,45 v1(61.8,42.4)
  Layer 2 w0.254: v1(27.3,35.8) 29.739,35.8 31.401,37.462 33.564,37.462 37.11,41.008 37.11,45.93 P1.4@40.26,49.08 ; v1(84.8,53.7) 84.8,48.7 87,46.5 v1(96.5,46.5)
  Bottom Layer w0.254: P4.17@15.75,17 17.202,15.548 28.255,15.548 29.25,14.553 P4.13@29.25,11.5 ; v1(20.6,39.1) 23.9,35.8 v1(27.3,35.8) ; v1(111.1,49.2) 112.6,49.2 113.58,48.22 F2.1@113.58,45.4 113.58,45.095 114.023,44.652 116.5,44.652 118.174,42.978 119.622,42.978 120.05,42.55 LED2.1@120.05,40.9 LED2.1@120.05,40.695
5V: C1.1 C3.1 C4.1 F1.1 ICCAN1.3 ICCAN1.8 ICCAN1.14 LED1.1 P1.1 P3.1 P3.4 P3.8 P3.10 P3.13 P3.37 P3.40 P3.43 P4.4 R8.2 R18.2 R27.2 R28.2 R33.2 R34.2 R41.2 R47.2 R48.2 UReg2.1 | length 535.1
  Top Layer w0.254: C3.1@81.4,43.416 81.781,43.797 83.337,43.797 84.01,44.47 ICCAN1.3@88.275,44.47 89.57,44.47 92.1,47 93.715,47 ICCAN1.14@93.725,47.01 93.725,48.825 96.5,51.6 v1(96.5,51.8) ; v1(91.1,25.7) 92.378,26.978 98.718,26.978 99.802,28.062 100.598,28.062 101.162,27.498 101.162,20.718 100.25,19.806 P3.37@100.25,19.5 99.132,18.382 99.132,17.382 P3.43@98.75,17 ; ICCAN1.8@93.725,39.39 93.796,39.319 93.796,38.504 94.6,37.7 v1(95.9,37.7) 95.9,37.663 96.937,38.7 C4.1@99.568,38.7
  Layer 1 w0.254: v1(44.2,33.5) 44.295,33.595 v1@55.895,33.595 ; v1(53.5,32.3) 54.6,32.3 v1@55.895,33.595 ; v1(55.99,33.69) v1@55.895,33.595 ; P3.10@57.25,16.75 P3.10@57.25,17 ; P3.13@66.25,17 66.25,20.053 67.149,20.952 75.298,20.952 P3.8@76.75,19.5 ; v1(85.9,70.1) 85.9,81 v1(92,87.1) ; v1(95.9,37.7) 95.9,37.9 97.462,39.462 97.462,50.838 v1(96.5,51.8) ; v1(107.7,96.4) 107.7,94.5 116.6,85.6 v1(116.6,69.5) ; v1(119.5,65.7) 122.7,62.5 v1(122.7,55.8)
  Layer 2 w0.254: P4.4@15.75,14 15.75,10.947 17.751,8.946 30.988,8.946 53.326,31.284 53.326,32.126 v1(53.5,32.3) ; P1.1@42.8,46.54 44.2,45.14 v1(44.2,33.5) ; v1(55.99,33.69) 55.99,32.25 52.546,28.806 52.546,22.704 P3.1@55.75,19.5 ; P3.10@57.25,17 56.132,18.118 56.132,19.118 P3.1@55.75,19.5 ; P3.13@66.25,17 65.132,18.118 65.132,19.118 P3.4@64.75,19.5 63.298,20.952 57.202,20.952 P3.1@55.75,19.5 ; v1(86.1,59) 87.7,59 94.9,51.8 v1(96.5,51.8) ; v1(91.1,25.7) 92.76,25.7 95.862,28.802 95.862,37.662 v1(95.9,37.7) ; v1(92,87.1) 93,88.1 v1(93,96.6) ; P3.37@100.25,19.5 101.702,20.952 107.798,20.952 P3.40@109.25,19.5
  Bottom Layer w0.254: R27.2@2.5,76 R27.2@2.775,76 ; R18.2@2.6,39.6 R18.2@2.325,39.6 ; R34.2@2.6,89.5 2.325,89.5 1.877,89.052 1.877,87.402 1.615,87.402 1.423,87.21 1.423,85.79 1.615,85.598 1.877,85.598 1.877,83.877 1.79,83.877 1.598,83.685 1.598,81.715 1.79,81.523 1.877,81.523 1.877,76.348 2.225,76 R27.2@2.775,76 ; R28.2@2.7,62.9 R28.2@2.975,62.9 ; P4.4@15.75,14 14.202,15.548 10.292,15.548 6.062,19.778 6.062,30.151 3.992,32.221 3.992,37.096 3.585,37.502 2.139,37.502 1.877,37.764 1.877,39.152 R18.2@2.325,39.6 ; R48.2@43.8,95.8 44.075,95.8 45.237,96.962 87.938,96.962 R33.2@88.3,96.6 ; P3.8@76.75,19.5 76.75,16.447 77.649,15.548 82.108,15.548 91.1,24.54 v1(91.1,25.7) ; v1(85.9,70.1) 86.094,69.906 86.094,69.102 87.877,67.319 ; v1(86.1,59) 85,60.1 85,63.688 87.877,66.564 87.877,67.319 ; R33.2@88.1,96.8 R33.2@88.3,96.6 ; R41.2@88.4,84.7 88.675,84.7 90.054,86.079 90.054,86.17 90.984,87.1 v1(92,87.1) ; R47.2@88.6,68 88.325,68 87.877,67.552 87.877,67.319 ; v1(93,96.6) R33.2@88.3,96.6 ; v1(107.7,96.4) 106.724,96.4 106.162,95.838 99.722,95.838 99.498,96.062 94.306,96.062 93.744,95.5 89.4,95.5 R33.2@88.3,96.6 ; v1(116.6,69.5) 114.648,67.548 113.703,67.548 113.26,67.105 F1.1@113.26,66.8 113.46,66.6 115.9,66.6 116.7,65.8 LED1.1@116.7,64.775 117.875,64.775 118.8,65.7 v1(119.5,65.7) ; C1.1@119.316,45.6 119.4,45.684 UReg2.1@119.4,50.55 119.4,50.95 119.748,51.298 120.598,51.298 122.7,53.4 v1(122.7,55.8) ; R18.2@2.325,39.6 1.777,40.148 1.777,43.023 1.69,43.023 1.498,43.215 1.498,45.185 1.69,45.377 1.777,45.377 1.777,47.998 1.515,47.998 1.323,48.19 1.323,49.61 1.515,49.802 1.777,49.802 1.777,51.452 2.225,51.9 R8.2@2.5,51.9 3.9,51.9 4.398,52.398 4.398,60.089 3.423,61.064 3.423,62.452 R28.2@2.975,62.9 ; R27.2@2.775,76 4.298,74.477 4.298,68.442 5.862,66.878 5.862,65.002 4.208,63.348 3.423,63.348 R28.2@2.975,62.9
24V_ASMS_GND: 10mH.1 C1.2 C2.2 C16.2 C17.2 C18.2 C19.2 C20.2 C21.2 C23.2 C24.2 C25.2 CIN.2 COUT.2 CSS.2 P2.3 P3.3 P3.6 P3.12 P3.15 P3.24 P3.27 P3.30 P3.32 P3.36 P3.39 P3.42 P3.45 P3.47 P3.49 R3.1 R4.1 R25.2 R26.2 R31.2 R32.2 R37.2 R38.2 R46.2 R51.2 R53.2 RENB.1 RFBB.2 UReg1.4 UReg1.8 UReg2.2 UReg2.4 Z1.2 Z2.2 Z3.2 Z4.2 Z5.2 Z6.2 Z8.2 Z9.2 Z10.2 | length 77.4
  Top Layer w0.254: v1(10.9,93.9) 10.9,95.1 11.4,95.6 10mH.1@13.384,95.6 ; v1(20.6,68.9) 20.6,66.668 22.565,64.703 22.565,64.449 22.946,64.068 R3.1@23.2,64.068 ; P2.3@75.4,51.62 80.182,51.62 81.846,53.284 R4.1@82.1,53.284
  Layer 1 w0.254: v1(10.9,93.9) 10.9,91.3 13.9,88.3 v1(13.9,77.4) ; v1(14.1,65.4) 15.4,66.7 18.4,66.7 v1(20.6,68.9)
  Bottom Layer w0.254: R31.2@13.2,68.15 13.3,68.15 13.573,67.877 13.573,66.202 14.1,65.675 v1(14.1,65.4) ; R38.2@13.4,81.3 13.5,81.3 13.773,81.027 13.773,77.527 v1(13.9,77.4) ; R25.2@15,40.7 15.1,40.6 C16.2@17.5,40.6 ; C18.2@16.9,68.78 16.96,68.84 20.54,68.84 v1(20.6,68.9) ; UReg2.2@117.1,50.55 117.1,45.784 C1.2@117.284,45.6 C1.2@117.284,45.346 ; RFBB.2@117.216,74.3 117.132,74.384 CSS.2@117.132,78.9 117.513,79.281 117.513,84.705 UReg1.4@117.778,84.97 ; RENB.1@122.132,68.154 RENB.1@122.132,67.9 122.216,67.816 CIN.2@122.216,63.7
24V_ASMS_IN: P3.16 P3.19 P3.22 P3.25 P3.28 P3.31 U2.9 U4.5 U5.5 U6.5 U7.5 | length 269
  Top Layer w0.254: U2.9@10.788,89.445 11.225,89.445 14.88,93.1 v1(16.7,93.1) ; U7.5@18.775,76.35 20.495,76.35 22.845,78.7 v1(24.5,78.7) ; v1(26.049,92.251) 26.049,92.526 26.525,93.002 U6.5@26.525,95.45 ; v1(66.8,88.8) 69.9,88.8 75.4,94.3 v1(75.5,94.3) ; v1(84.3,96) 84.3,94.8 85.75,93.35 U4.5@85.875,93.35 ; v1(99.1,95.1) 99.825,94.375 U5.5@101.85,94.375
  Layer 1 w0.254: v1(16.7,93.1) 17.549,92.251 v1(26.049,92.251) ; v1(75.5,94.3) 82.6,94.3 v1(84.3,96) 85.8,94.5 98.5,94.5 v1(99.1,95.1)
  Layer 2 w0.254: v1(16.7,93.1) 16.7,80.5 18.5,78.7 v1(24.5,78.7) ; P3.19@60.25,14 61.75,15.5 70.75,15.5 ; P3.28@61.75,11.5 63.202,10.048 69.298,10.048 P3.31@70.75,11.5 ; P3.16@75.25,17 73.75,15.5 70.75,15.5 ; P3.25@78.25,14 78.25,10.947 77.351,10.048 72.202,10.048 P3.31@70.75,11.5 ; P3.31@70.75,11.5 69.632,12.618 69.632,13.618 P3.22@69.25,14 70.75,15.5
  Bottom Layer w0.254: v1(26.049,92.251) 42.462,92.251 45.913,88.8 v1(66.8,88.8) 63.162,85.162 63.162,42.401 62.038,41.278 62.038,29.578 54.298,21.838 54.298,17.899 56.649,15.548 67.702,15.548 P3.22@69.25,14
24V_LVMS_IN: CIN.1 P3.35 RENT.1 RON.1 UReg1.1 | length 84.1
  Top Layer w0.254: P3.35@94.25,19.5 94.381,19.631 94.381,21.281 v1(100.2,27.1)
  Layer 1 w0.254: v1(97.6,35.4) 97.6,38.958 110.4,51.758 v1(110.4,58.4)
  Layer 2 w0.254: v1(97.6,35.4) 97.6,29.7 v1(100.2,27.1)
  Bottom Layer w0.254: v1(110.4,58.4) 110.4,60 111.3,60.9 117.384,60.9 119.549,63.065 119.803,63.065 120.184,63.446 CIN.1@120.184,63.7 120.184,63.954 121.15,64.92 121.15,70.98 122.116,71.946 RENT.1@122.116,72.2 122.116,75.468 121.935,75.649 121.935,75.903 RON.1@121.554,76.284 ; RON.1@121.3,76.284 RON.1@121.554,76.284 ; UReg1.1@121.588,84.97 121.857,84.701 121.857,80.896 122.489,80.264 122.489,77.219 RON.1@121.554,76.284
Actuator_Pressure: C21.1 P1.30 R36.2 R38.1 Z6.1 | length 35.4
  Bottom Layer w0.254: R36.2@5.5,82.7 5.527,82.727 8.927,82.727 Z6.1@9.2,83 R38.1@13.4,83 13.6,83.2 39.16,83.2 P1.30@40.26,82.1
Actuator_Pressure_IN: P3.44 R34.1 R36.1 | length 214.4
  Top Layer w0.254: v1(19.5,25.6) 27.497,25.6 28.513,24.584 30.287,24.584 34.503,28.8 65.56,28.8 68.122,31.362 69.598,31.362 70.431,30.53 73.23,30.53 76.4,33.7 v1(82.5,33.7) ; v1(92.3,28.7) 93.84,28.7 94.402,28.138 99.235,28.138 99.613,28.516 100.787,28.516 101.75,27.553 P3.44@101.75,17
  Layer 1 w0.254: v1(4.6,78) 4.6,91.96 2.898,93.662 2.102,93.662 1.538,93.098 1.538,71.202 5.862,66.878 5.862,51.886 4.738,50.762 4.738,35.771 6.516,33.993 6.516,25.324 8.302,23.538 11.054,23.538 13.116,25.6 v1(19.5,25.6) ; v1(82.5,33.7) 82.6,33.6 87.9,33.6 v1(88,33.5)
  Layer 2 w0.254: v1(88,33.5) 88,33.25 92.3,28.95 v1(92.3,28.7)
  Bottom Layer w0.254: R34.1@2.6,86.5 2.6,82.8 R36.1@2.5,82.7 2.5,78.7 3.2,78 v1(4.6,78)
AIN_Pressure_Regulator: C25.1 P2.26 R52.2 R53.1 Z10.1 | length 34.7
  Bottom Layer w0.254: R52.2@50.1,95.8 55.85,95.8 Z10.1@56.1,95.55 60.6,95.55 61.3,94.85 R53.1@61.4,94.85 61.63,94.62 66.56,94.62 66.943,94.237 67.005,94.237 69.814,91.429 69.814,82.606 P2.26@72.86,79.56